# Altium PCB PCB.PcbDoc (part 2 of 2)
Units mm, origin at the board's own origin, x right, y up, seen from the top; angles counter-clockwise.
Board outline 154 x 90 mm, 2 copper layers (Top Layer, Bottom Layer), stack 1.586 mm thick; 143 components, 115 nets, 461 pads, 570 vias.
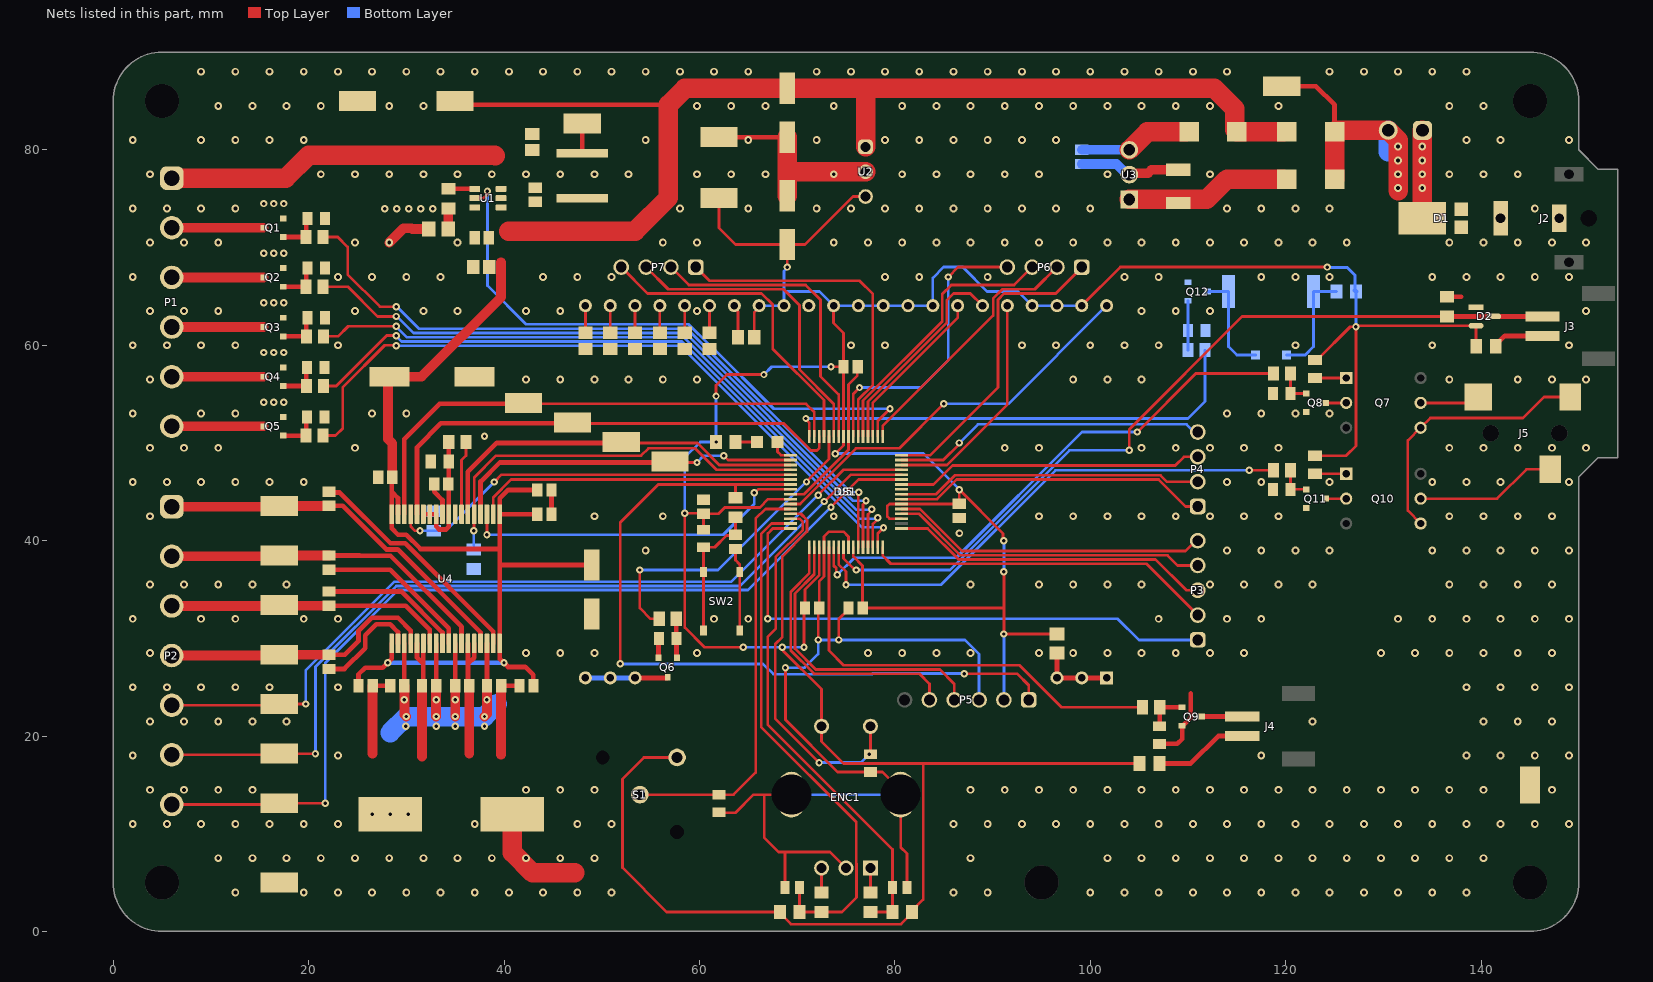
[diagram p2: the nets of this part, all layers, seen from the top]

## Via types
v1: diameter 0.8, hole 0.4, Top Layer to Bottom Layer, 470 vias
v2: diameter 0.75, hole 0.35, Top Layer to Bottom Layer, 100 vias

## Nets (pads, with @x,y where several pads share a name; then routed paths per layer and width w, separated by ;. In a path a pad name is that pad's centre, name@x,y a point inside that pad or via, vN(x,y) a via of type N, cw(c..) or ccw(c..) an arc to the next point about the centre after c; other vN are vias at no path point)
+3V3: C6.2 C32.1 C36.1 C37.1 C38.1 C39.1 C40.1 D2.2 DS1.30 DS1.31 DS1.33 DS1.34 DS1.35 DS1.36 DS1.37 DS1.41 DS1.42 DS1.43 ENC1.2 P5.2 R16.1 R17.1 R21.1 R25.2 R26.2 R27.1 R32.1 R37.2 R38.2 R40.1 S1.2 TP5.1 U2.3 U5.10 U5.19 U5.26 U5.35 U5.38 U5.57 | length 419.6
  Top Layer w0.28: S1.2@57.71,17.81 54.31,17.81 52.116,15.616 52.116,6.534 56.65,2 R17.1@68.25,2 68.25,1.875 69.375,0.75 80.625,0.75 81.75,1.875 R16.1@81.75,2 81.75,2.125 82.9,3.275 82.9,17.2 ; R37.2@60.25,41.126 60.425,41.301 C37.1@60.425,42.75 ; v2(61.7,54.8) 61.7,55.9 62.8,57 v2(66.6,57) ; TP5.1@62,75.079 62,72 63.7,70.3 C6.2@69,70.3 ; v2(64.5,29.1) 60.493,29.1 58.501,31.092 58.501,32.846 58.49,32.857 v2(58.49,42.8) 60.375,42.8 C37.1@60.425,42.75 ; C32.1@65.6,60.823 65.6,63.34 DS1.30@66.11,63.85 ; v2(68.485,29.1) 68.574,29.01 68.574,28.726 72.5,24.8 ENC1.2@72.5,21 72.5,19.46 74.76,17.2 82.9,17.2 ; v2(69,68) C6.2@69,70.3 ; U5.10@69.326,44.25 67.027,44.25 66.177,43.4 62.588,43.4 61.938,42.75 C37.1@60.425,42.75 ; v2(70.7,29.1) 70.7,33.002 C36.1@70.798,33.1 70.798,34.998 72.25,36.45 U5.19@72.25,39.326 ; v2(73.469,57.8) C40.1@74.75,57.8 ; DS1.33@73.73,64.05 73.73,62.283 74.75,61.263 C40.1@74.75,57.8 ; v2(73.916,48.911) 74.75,49.745 C40.1@74.75,57.8 ; U5.26@75.75,39.326 75.75,38.38 76.7,37.43 C38.1@76.7,33.1 91.16,33.1 ; U2.3@77,75.22 75.72,75.22 70.8,70.3 C6.2@69,70.3 ; U5.35@80.674,42.25 79.448,42.25 79.223,42.475 79.223,43.527 79.446,43.75 U5.38@80.674,43.75 86.578,43.75 C39.1@86.6,43.772 v2(86.6,45.213) 91.07,40.743 91.07,40.09 v2(91.16,40) ; v2(91.16,36.824) 91.16,33.1 ; R21.1@96.59,30.45 v2(91.16,30.45) 91.16,33.1 ; DS1.43@99.13,64.05 103.08,68 v2(124.25,68) ; R26.2@105.05,17.2 82.9,17.2 ; R32.1@123,48.69 126.19,48.69 127.19,49.69 v2(127.19,61.895) ; R27.1@123,58.49 123.2,58.49 126.605,61.895 v2(127.19,61.895) ; R40.1@139.5,59.9 139.48,59.92 D2.2@139.48,62 127.422,62 127.317,61.895 v2(127.19,61.895)
  Top Layer w0.48: DS1.30@66.11,63.85 DS1.30@66.11,64.05
  Bottom Layer w0.28: v2(58.49,42.8) 58.49,48.5 60.09,50.1 v2(61.7,50.1) v2(61.7,54.8) ; v2(64.5,29.1) v2(68.485,29.1) v2(70.7,29.1) ; DS1.30@66.11,64.05 DS1.31@68.65,64.05 68.65,65.5 ; v2(66.6,57) 67.4,57.8 v2(73.469,57.8) ; v2(69,68) 69,67.951 68.65,67.601 68.65,65.5 ; v2(73.916,48.911) 82.937,48.911 86.6,45.248 v2(86.6,45.213) ; P5.2@91.16,23.7 v2(91.16,30.45) ; v2(91.16,36.824) v2(91.16,40) ; DS1.43@99.13,64.05 DS1.42@96.59,64.05 DS1.41@94.05,64.05 92.6,65.5 89.45,65.5 86.95,68 85,68 83.89,66.89 DS1.37@83.89,64.05 DS1.36@81.35,64.05 DS1.35@78.81,64.05 DS1.34@76.27,64.05 DS1.33@73.73,64.05 72.28,65.5 68.65,65.5 ; v2@124.302,67.948 126.302,67.948 127.086,67.164 R38.2@127.086,65.604 ; v2(127.19,61.895) R38.2@127.19,65.5
  Bottom Layer w0.48: v2(124.25,68) v2@124.302,67.948 ; R38.2@127.086,65.604 R38.2@127.19,65.5
+12V: C1.1 C2.1 C5.2 C10.2 C11.1 C12.1 C13.1 C14.1 C24.1 C25.2 SB2.2 SB3.1 TP4.1 U1.4 U2.1 U4.1 U4.17 U4.18 U4.19 U4.36 | length 228.5
  Top Layer w0.48: C14.1@25.1,25.15 25.1,26.3 25.8,27 27.6,27 28.5,27.9 U4.19@28.5,29.48 ; C13.1@28.564,46.5 28.5,46.436 28.5,45.012 ; U4.17@29.15,42.7 29.15,44.362 28.5,45.012 ; TP4.1@35,85 35.399,84.601 56.809,84.601 56.864,84.656 ; v2(40,27.491) 40.416,27.074 42.171,27.074 42.978,26.267 42.978,25.197 C11.1@43.026,25.15 ; v2(40,27.491) 39.956,27.491 39.55,27.897 39.55,37.526 ; C24.1@43.4,42.7 U4.1@39.55,42.7 ; C12.1@43.4,45.19 40.419,45.19 39.55,44.321 U4.1@39.55,42.7 ; C25.2@48.96,37.498 39.578,37.498 39.55,37.526 ; 28.5,45.012 U4.18@28.5,42.7 28.5,41.25 29.15,40.6 30,40.6 31.452,39.148 39.55,39.148 ; 39.55,37.526 39.55,39.148 ; 39.55,39.148 U4.1@39.55,42.7
  Top Layer w1: C13.1@28.564,46.5 28.564,49.956 28.12,50.4 28.12,56.6 C10.2@28.3,56.78 31.575,56.78 39.7,64.905 39.7,68.5
  Top Layer w2: 40.5,71.68 53.41,71.68 56.809,75.079 56.809,84.601 ; 56.864,84.656 58.508,86.3 77,86.3 ; U2.1@77,80.3 77,86.3 ; SB2.2@119.774,81.84 SB3.1@115,81.84 114.8,82.04 114.8,84.2 112.7,86.3 77,86.3
  Bottom Layer w0.48: v2(28.098,27.491) v2(40,27.491)
+24V: C7.1 SB1.2 U3.1 | length 16.6
  Top Layer w2: U3.1@104,74.92 111.92,74.92 114,77 SB1.2@119.774,77
AGND: C18.2 R2.2 R3.2 U4.9 U4.11 U4.12 U4.13 | length 12.8
  Top Layer w0.48: U4.13@31.75,42.7 U4.12@32.4,42.7 U4.11@33.05,42.7 33.05,41.45 33.35,41.15 34.069,41.15 34.35,41.431 U4.9@34.35,42.7 R2.2@34.35,48.1 R3.2@34.35,50.1
CHANNEL_A: C33.1 R16.2 R18.1 U5.14 | length 50.3
  Top Layer w0.28: U5.14@69.326,42.25 70.259,42.25 70.586,41.923 70.586,41.102 67.8,38.316 67.8,30.97 67,30.17 67,21.153 79.75,8.403 C33.1@79.75,4.5 R16.2@79.75,2 R18.1@77.5,2
CHANNEL_B: C34.1 R17.2 R19.1 U5.15 | length 53.6
  Top Layer w0.28: U5.15@69.326,41.75 67.395,41.75 66.319,40.674 66.319,31.313 66.319,20.947 76.047,11.22 76.047,6.961 76.066,6.942 76.066,3.493 74.573,2 R19.1@72.5,2 R17.2@70.25,2 C34.1@70.25,4.5
FAULT: U4.3 U5.8 | length 35.8
  Top Layer w0.28: v2(38.25,40.6) U4.3@38.25,42.7 ; v2(65.607,44.913) 65.669,44.913 66.006,45.25 U5.8@69.326,45.25
  Bottom Layer w0.28: v2(38.25,40.6) 62.435,40.6 65.607,43.772 v2(65.607,44.913)
FOCUS_CMD: R33.1 U5.23 | length 52.7
  Top Layer w0.28: U5.23@74.25,39.326 74.25,37.574 75,36.824 v2(75,35.5) ; v2(116.275,47.2) R33.1@118.75,47.2
  Bottom Layer w0.28: v2(75,35.5) 84.75,35.5 96.45,47.2 v2(116.275,47.2)
GND: C1.2 C2.2 C4.2 C5.1 C6.1 C7.2 C8.2 C10.1 C11.2 C12.2 C13.2 C14.2 C19.2 C20.2 C21.2 C22.2 C23.2 C24.2 C25.1 C26.2 C27.2 C28.2 C29.2 C30.2 C31.2 C32.2 C33.2 C34.2 C35.2 C36.2 C37.2 C38.2 C39.2 C40.2 D2.1 DS1.29 DS1.32 ENC1.3 ENC1.4 ENC1.C J2.2 P5.3 Q6.2 Q8.2 Q9.2 Q11.2 Q12.2 R1.1 R2.1 R4.1 R5.1 R9.1 R10.1 R11.1 R14.1 R15.1 R20.1 R23.1 R24.1 R29.1 R31.1 R34.1 R36.1 R41.2 SW2.1 SW2.2 TP2.1 TP6.1 TP7.1 TP8.1 U1.3 U2.2 U3.2 U4.8 U4.23 U4.24 U4.31 U4.32 U5.9 U5.20 U5.25 U5.41 U5.56 | length 249.4
  Top Layer w0.28: R23.1@62,12.2 62.045,12.155 63.704,12.155 65.55,14 66.642,14 ; DS1.29@63.57,63.818 63.948,63.44 C32.2@63.948,60.823 ; C35.2@63.7,39.148 63.7,38 64.125,37.575 SW2.1@64.125,36.8 SW2.2@64.125,30.8 ; C34.2@68.75,4.5 68.75,8.129 ; v2(68.8,27) 68.8,21.669 74.142,16.327 R20.1@77.5,16.327 78.725,16.327 80.6,14.452 ENC1.3@80.6,14 80.6,8.614 81.25,7.964 C33.2@81.25,4.5 ; U5.9@69.326,44.75 70.697,44.75 75.25,49.303 U5.56@75.25,50.674 75.25,55.972 76.144,56.866 76.144,57.742 C40.2@76.202,57.8 ; ENC1.4@69.4,14 66.642,14 ; v2(72.153,29.84) 72.153,33.003 C36.2@72.25,33.1 72.25,35.84 72.75,36.34 U5.20@72.75,39.326 72.75,40.424 73.25,40.924 74.729,40.924 75.25,40.403 U5.25@75.25,39.326 ; v2(74.26,29.84) 74.26,31.961 75.248,32.949 C38.2@75.248,33.1 ; ENC1.C@75,6.5 73.371,8.129 68.75,8.129 ; 66.642,14 66.642,9.583 68.095,8.129 68.75,8.129
  Top Layer w0.48: C14.2@26.552,25.15 C23.2@28.348,25.15 ; U4.23@31.1,29.48 31.1,28.021 31.74,27.381 ; C22.2@31.598,25.15 31.74,25.292 31.74,27.381 ; U4.24@31.75,29.48 31.74,29.47 31.74,27.381 ; U4.31@36.3,29.48 36.31,29.47 36.31,27.381 ; C21.2@36.452,25.15 36.31,25.292 36.31,27.381 ; U4.32@36.95,29.48 36.95,28.021 36.31,27.381 ; C20.2@39.702,25.15 C11.2@41.574,25.15 ; C24.2@44.852,42.7 C12.2@44.852,45.19 ; Q6.2@55.81,28.021 55.81,29.95 R24.1@55.86,30 ; TP8.1@62,81.3 C5.1@69,81.3 ; DS1.29@63.57,63.818 DS1.29@63.57,64.05 ; 68.46,77.76 69,78.3 ; R34.1@107.1,19.2 108.9,19.2 109.4,19.7 Q9.2@109.4,21.05 109.45,21.05 110.3,21.9 110.3,24.35 ; R41.2@136.5,64.95 137.956,64.95 ; D2.1@139.006,63.9 D2.1@139.48,63.9
  Top Layer w1: 26.552,18.2 C14.2@26.552,25.15 ; v1(28.25,70.5) 29.721,71.971 30.549,71.971 30.62,71.9 R1.1@32.3,71.9 ; 31.598,17.905 C22.2@31.598,25.15 ; 36.452,18.2 C21.2@36.452,25.15 ; 39.702,18.08 C20.2@39.702,25.15 ; U3.2@104,77.46 104.153,77.613 105.913,77.613 106.25,77.95 C7.2@109,77.95
  Top Layer w2: C19.2@40.848,12 40.848,8.073 42.921,6 47.25,6 ; C6.1@69,75.3 69,78.3 ; C5.1@69,81.3 69,78.3 ; U2.2@77,77.76 69.54,77.76 69,78.3
  Bottom Layer w0.28: v2(68.8,27) 70.773,27 72.153,28.38 v2(72.153,29.84) v2(74.26,29.84) 87.16,29.84 88.62,28.38 P5.3@88.62,23.7 ; ENC1.4@69.4,14 ENC1.3@80.6,14
  Bottom Layer w1: C8.2@99.13,78.548 102.695,78.548 103.784,77.46 U3.2@104,77.46
  other v1: 12.5,4 19.5,4 23,4 26.5,4 30,4 33.5,4 37,4 40.5,4 44,4 47.5,4 51,4 86,4 89.5,4 100,4 103.5,4 107,4 110.5,4 114,4 117.5,4 121,4 124.5,4 128,4 131.5,4 135,4 138.5,4 10.75,7.5 14.25,7.5 17.75,7.5 21.25,7.5 24.75,7.5 28.25,7.5 31.75,7.5 35.25,7.5 38.75,7.5 42.25,7.5 45.75,7.5 49.25,7.5 87.75,7.5 101.75,7.5 105.25,7.5 108.75,7.5 112.25,7.5 115.75,7.5 119.25,7.5 122.75,7.5 126.25,7.5 129.75,7.5 133.25,7.5 136.75,7.5 140.25,7.5 2,11 5.5,11 9,11 12.5,11 16,11 19.5,11 23,11 37,11 47.5,11 51,11 86,11 89.5,11 93,11 96.5,11 100,11 103.5,11 107,11 110.5,11 114,11 117.5,11 121,11 124.5,11 128,11 131.5,11 135,11 138.5,11 142,11 145.5,11 149,11 3.75,14.5 7.25,14.5 10.75,14.5 14.25,14.5 42.25,14.5 45.75,14.5 49.25,14.5 87.75,14.5 91.25,14.5 94.75,14.5 98.25,14.5 101.75,14.5 105.25,14.5 108.75,14.5 112.25,14.5 115.75,14.5 119.25,14.5 122.75,14.5 126.25,14.5 129.75,14.5 133.25,14.5 136.75,14.5 140.25,14.5 147.25,14.5 2,18 23,18 117.5,18 138.5,18 142,18 145.5,18 149,18 3.75,21.5 7.25,21.5 10.75,21.5 14.25,21.5 17.75,21.5 122.75,21.5 140.25,21.5 143.75,21.5 147.25,21.5 2,25 5.5,25 9,25 12.5,25 16,25 23,25 138.5,25 142,25 145.5,25 149,25 3.75,28.5 42.25,28.5 45.75,28.5 49.25,28.5 59.75,28.5 77.25,28.5 80.75,28.5 84.25,28.5 87.75,28.5 94.75,28.5 98.25,28.5 101.75,28.5 105.25,28.5 108.75,28.5 112.25,28.5 115.75,28.5 129.75,28.5 133.25,28.5 136.75,28.5 140.25,28.5 143.75,28.5 147.25,28.5 2,32 9,32 12.5,32 19.5,32 23,32 61.5,32 65,32 107,32 114,32 117.5,32 131.5,32 135,32 138.5,32 142,32 145.5,32 149,32 3.75,35.5 7.25,35.5 10.75,35.5 14.25,35.5 17.75,35.5 87.75,35.5 94.75,35.5 98.25,35.5 101.75,35.5 105.25,35.5 112.25,35.5 115.75,35.5 119.25,35.5 122.75,35.5 136.75,35.5 140.25,35.5 143.75,35.5 147.25,35.5 54.5,39 114,39 117.5,39 121,39 124.5,39 135,39 138.5,39 142,39 145.5,39 149,39 86.6,40.761 3.75,42.5 49.25,42.5 56.25,42.5 73.75,42.5 94.75,42.5 98.25,42.5 101.75,42.5 105.25,42.5 108.75,42.5 112.25,42.5 115.75,42.5 119.25,42.5 136.75,42.5 140.25,42.5 143.75,42.5 147.25,42.5 2,46 5.5,46 9,46 12.5,46 16,46 19.5,46 114,46 117.5,46 124.5,46 135,46 138.5,46 142,46 149,46 3.75,49.5 7.25,49.5 10.75,49.5 24.75,49.5 91.25,49.5 94.75,49.5 105.25,49.5 108.75,49.5 112.25,49.5 115.75,49.5 119.25,49.5 136.75,49.5 140.25,49.5 143.75,49.5 147.25,49.5 150.75,49.5 2,53 9,53 12.5,53 26.5,53 30,53 114,53 117.5,53 121,53 124.5,53 3.75,56.5 42.25,56.5 45.75,56.5 49.25,56.5 52.75,56.5 56.25,56.5 59.75,56.5 98.25,56.5 101.75,56.5 105.25,56.5 136.75,56.5 143.75,56.5 147.25,56.5 150.75,56.5 2,60 5.5,60 9,60 12.5,60 23,60 75.5,60 79,60 93,60 96.5,60 100,60 103.5,60 107,60 121,60 135,60 149,60 3.75,63.5 7.25,63.5 10.75,63.5 24.75,63.5 31.75,63.5 35.25,63.5 42.25,63.5 45.75,63.5 59.75,63.5 105.25,63.5 108.75,63.5 112.25,63.5 150.75,63.5 2,67 23,67 26.5,67 30,67 33.5,67 44,67 47.5,67 51,67 79,67 82.5,67 89.5,67 103.5,67 107,67 117.5,67 121,67 124.5,67 135,67 138.5,67 142,67 145.5,67 149,67 3.75,70.5 7.25,70.5 10.75,70.5 24.75,70.5 35.25,70.5 56.25,70.5 59.75,70.5 73.75,70.5 77.25,70.5 80.75,70.5 84.25,70.5 87.75,70.5 91.25,70.5 94.75,70.5 98.25,70.5 101.75,70.5 105.25,70.5 108.75,70.5 112.25,70.5 115.75,70.5 119.25,70.5 122.75,70.5 126.25,70.5 136.75,70.5 140.25,70.5 143.75,70.5 147.25,70.5 150.75,70.5 2,74 5.5,74 9,74 12.5,74 58,74 65,74 72,74 75.5,74 79,74 82.5,74 86,74 89.5,74 93,74 96.5,74 100,74 114,74 117.5,74 121,74 124.5,74 145.5,74 3.75,77.5 21.25,77.5 24.75,77.5 28.25,77.5 31.75,77.5 35.25,77.5 38.75,77.5 42.25,77.5 45.75,77.5 49.25,77.5 52.75,77.5 59.75,77.5 63.25,77.5 66.75,77.5 73.75,77.5 80.75,77.5 84.25,77.5 87.75,77.5 91.25,77.5 94.75,77.5 101.75,77.5 112.25,77.5 136.75,77.5 140.25,77.5 143.75,77.5 2,81 9,81 12.5,81 16,81 19.5,81 54.5,81 65,81 72,81 79,81 82.5,81 86,81 89.5,81 93,81 96.5,81 138.5,81 142,81 149,81 10.75,84.5 14.25,84.5 17.75,84.5 21.25,84.5 28.25,84.5 31.75,84.5 59.75,84.5 63.25,84.5 66.75,84.5 73.75,84.5 80.75,84.5 84.25,84.5 87.75,84.5 91.25,84.5 94.75,84.5 98.25,84.5 101.75,84.5 105.25,84.5 108.75,84.5 112.25,84.5 119.25,84.5 136.75,84.5 140.25,84.5 9,88 12.5,88 16,88 19.5,88 23,88 26.5,88 30,88 33.5,88 37,88 40.5,88 44,88 47.5,88 51,88 54.5,88 58,88 61.5,88 65,88 72,88 75.5,88 79,88 82.5,88 86,88 89.5,88 93,88 96.5,88 100,88 103.5,88 107,88 110.5,88 114,88 124.5,88 128,88 131.5,88 135,88 138.5,88
  other v2: 38,50.682
INDEX: D2.3 J3.2 R41.1 U5.24 | length 84.4
  Top Layer w0.28: U5.24@74.75,39.326 74.75,38.177 75.709,37.218 75.927,37 v2(76.034,37) ; v2(104,49.246) 104,51.4 115.55,62.95 R41.1@136.5,62.95
  Top Layer w0.48: R41.1@136.5,62.95 D2.3@141.3,62.95 J3.2@145.55,62.95
  Bottom Layer w0.28: v2(76.034,37) 85.64,37 97.886,49.246 v2(104,49.246)
LED1-: P1.2 Q1.3 | length 9.4
  Top Layer w1: P1.2@6,72.02 Q1.3@15.4,72.02
LED1_CMD: R6.1 U5.27 | length 72.9
  Top Layer w0.28: R6.1@21.475,71.07 22.98,71.07 24,70.05 24,67.26 27.311,63.949 v2@29.022,63.949 ; U5.27@76.25,39.326 76.25,44.913 v2(76.299,44.962)
  Bottom Layer w0.28: v2@29.022,63.949 31.287,61.685 58.741,61.685 75.463,44.962 v2(76.299,44.962)
  other v2: 28.96,63.949
LED2-: P1.3 Q2.3 | length 9.4
  Top Layer w1: P1.3@6,66.94 Q2.3@15.4,66.94
LED2_CMD: R7.1 U5.28 | length 69.5
  Top Layer w0.28: R7.1@21.475,65.99 24.01,65.99 27.052,62.948 v2@29.035,62.948 ; U5.28@76.75,39.326 76.75,43.679 77.043,43.972 v2(77.043,44.078)
  Bottom Layer w0.28: v2@29.035,62.948 30.728,61.254 58.562,61.254 75.738,44.078 v2(77.043,44.078)
  other v2: 28.96,62.948
LED3-: P1.4 Q3.3 | length 9.4
  Top Layer w1: P1.4@6,61.86 Q3.3@15.4,61.86
LED3_CMD: R8.1 U5.29 | length 68.4
  Top Layer w0.28: R8.1@21.525,60.91 23.021,60.91 24.057,61.946 v2@28.998,61.946 ; U5.29@77.25,39.326 77.25,42.698 77.626,43.074 v2(77.626,43.201)
  Bottom Layer w0.28: v2@28.998,61.946 28.998,61.862 30.037,60.823 58.384,60.823 76.055,43.152 77.577,43.152 v2(77.626,43.201)
  other v2: 28.96,61.946
LED4-: P1.5 Q4.3 | length 9.4
  Top Layer w1: P1.5@6,56.78 Q4.3@15.4,56.78
LED4_CMD: R12.1 U5.30 | length 69.9
  Top Layer w0.28: R12.1@21.525,55.83 22.83,55.83 28,61 28.918,61 v2(28.96,60.959) ; U5.30@77.75,39.326 77.75,41.724 78.263,42.237 v2(78.263,42.335)
  Bottom Layer w0.28: v2(28.96,60.959) 29.526,60.392 58.205,60.392 76.347,42.25 78.178,42.25 v2(78.263,42.335)
LED5-: P1.6 Q5.3 | length 9.4
  Top Layer w1: P1.6@6,51.7 Q5.3@15.4,51.7
LED5_CMD: R13.1 U5.31 | length 73.6
  Top Layer w0.28: R13.1@21.475,50.75 22.75,50.75 23.5,51.5 23.5,55.705 27.795,60 28.921,60 v2(28.96,59.961) ; U5.31@78.25,39.326 78.25,40.733 v2(78.839,41.322)
  Bottom Layer w0.28: v2(28.96,59.961) 58.027,59.961 76.622,41.366 78.795,41.366 v2(78.839,41.322)
LED+: C4.1 L1.2 P1.1 TP3.1 | length 37.1
  Top Layer w0.48: L1.2@48,79.652 TP3.1@48,82.699
  Top Layer w2: P1.1@6,77.1 17.661,77.1 20,79.439 39.062,79.439 39.1,79.401
LED-: Q1.2 Q2.2 Q3.2 Q4.2 Q5.2 R1.2 R42.2 | length 2.5
  Top Layer w0.48: Q4.2@17.35,57.73 Q4.2@17.4,57.73 ; Q1.2@17.4,72.97 Q1.2@17.45,72.97 ; R42.2@34.102,74.2 R42.2@34.3,74.002
  Top Layer w1: R1.2@34.3,71.9 R42.2@34.3,74.002
  other v2: 15.419,54.18 16.444,54.18 17.469,54.18 15.419,59.26 16.444,59.26 17.469,59.26 15.419,64.34 16.444,64.34 17.469,64.34 15.419,69.42 16.444,69.42 17.469,69.42 27.795,73.967 29.021,73.967 30.247,73.967 31.474,73.967 32.7,73.967 15.419,74.5 16.444,74.5 17.469,74.5
LED_IR_CMD: R30.1 U5.21 | length 45.1
  Top Layer w0.28: U5.21@73.25,39.326 73.25,28.747 74.747,27.25 92.75,27.25 97.05,22.95 R30.1@105.35,22.95
MCLR: P5.1 R39.2 U5.7 | length 79.1
  Top Layer w0.28: v2(51.895,27.386) 51.895,41.858 55.788,45.75 63.703,45.75 ; R39.2@63.7,44.4 63.7,45.747 63.703,45.75 ; U5.7@69.326,45.75 63.703,45.75 ; v2(87.1,26.388) 92.512,26.388 93.7,25.2 P5.1@93.7,23.7
  Bottom Layer w0.28: v2(51.895,27.386) 66.514,27.386 67.566,26.334 77.671,26.334 77.737,26.4 87.088,26.4 v2(87.1,26.388)
NC0: P3.1 U5.16 | length 56.2
  Top Layer w0.28: v2(67,32) 67,40.745 67.505,41.25 U5.16@69.326,41.25
  Bottom Layer w0.28: v2(67,32) 102.816,32 104.976,29.84 P3.1@111,29.84
NC1: P3.2 U5.32 | length 35.6
  Top Layer w0.28: U5.32@78.75,39.326 78.75,38.466 79.583,37.633 105.747,37.633 P3.2@111,32.38
NC2: P3.3 U5.33 | length 32.9
  Top Layer w0.28: U5.33@80.674,41.25 83.354,41.25 86.54,38.064 106.686,38.064 109.83,34.92 P3.3@111,34.92
NC3: P3.4 U5.36 | length 32.5
  Top Layer w0.28: U5.36@80.674,42.75 82.464,42.75 86.719,38.495 107.894,38.495 108.929,37.46 P3.4@111,37.46
NC4: P3.5 U5.37 | length 32.6
  Top Layer w0.28: U5.37@80.674,43.25 82.573,43.25 86.888,38.936 109.751,38.936 110.815,40 P3.5@111,40
NC5: P4.1 U5.39 | length 32.3
  Top Layer w0.28: U5.39@80.674,44.25 84.311,44.25 86.311,46.25 107,46.25 109.75,43.5 P4.1@111,43.5
NC6: P4.2 U5.40 | length 31.4
  Top Layer w0.28: U5.40@80.674,44.75 84.201,44.75 86.132,46.681 107.179,46.681 107.82,46.04 P4.2@111,46.04
NC7: P4.3 U5.42 | length 31.5
  Top Layer w0.28: U5.42@80.674,45.75 83.949,45.75 85.893,47.694 108.694,47.694 109.58,48.58 P4.3@111,48.58
NC8: P4.4 U5.47 | length 32.2
  Top Layer w0.28: U5.47@80.674,48.25 84.95,48.25 86.6,49.9 v2(86.6,50)
  Bottom Layer w0.28: v2(86.6,50) 88.5,51.9 109.863,51.9 110.643,51.12 P4.4@111,51.12
NC9: P6.1 U5.48 | length 31.7
  Top Layer w0.28: U5.48@80.674,48.75 83.63,48.75 90.548,55.668 90.548,64.658 91.19,65.3 96.468,65.3 99.13,67.962 P6.1@99.13,68
NC10: P6.2 U5.49 | length 26.7
  Top Layer w0.28: U5.49@78.75,50.674 78.75,51.718 90.06,63.028 90.06,64.779 91.011,65.731 94.321,65.731 P6.2@96.59,68
NC11: P6.3 U5.53 | length 28.3
  Top Layer w0.28: U5.53@76.75,50.674 76.75,54.342 84.85,62.442 84.85,65.231 85.78,66.162 92.212,66.162 P6.3@94.05,68
NC12: P6.4 U5.55 | length 30.5
  Top Layer w0.28: U5.55@75.75,50.674 75.75,55.037 v2(76.381,55.668) ; v2(85.47,66.984) 85.47,67 86.47,68 P6.4@91.51,68
  Bottom Layer w0.28: v2(76.381,55.668) 82.668,55.668 85.47,58.471 v2(85.47,66.984)
NC13: P7.1 U5.54 | length 34.5
  Top Layer w0.28: P7.1@59.62,68 61.02,66.6 76.381,66.6 77.75,65.231 77.75,55.952 76.25,54.452 U5.54@76.25,50.674
NC14: P7.2 U5.58 | length 31.4
  Top Layer w0.28: P7.2@57.08,68 58.918,66.162 70.873,66.162 72.381,64.655 72.381,56.821 74.25,54.952 U5.58@74.25,50.674
NC15: P7.3 U5.59 | length 32.2
  Top Layer w0.28: P7.3@54.54,68 56.809,65.731 68.588,65.731 70.23,64.089 70.23,57.519 73.75,54 U5.59@73.75,50.674
NC16: P7.4 U5.61 | length 32.7
  Top Layer w0.28: P7.4@52,68 54.7,65.3 66.354,65.3 67.505,64.15 67.505,59.636 72.75,54.39 U5.61@72.75,50.674
NetC3_1: C3.1 U1.6
NetC3_2: C3.2 L1.1 U1.5
NetC8_1: C8.1 SB3.2 U3.3 | length 11.4
  Top Layer w2: U3.3@104,80 105.84,81.84 SB3.2@109.774,81.84
  Bottom Layer w1: C8.1@99.13,80 U3.3@104,80
NetC9_1: C9.1 P2.1 TP9.1 U4.33 | length 38.1
  Top Layer w0.48: C9.1@22.075,43.56 23.49,43.56 27.95,39.1 29.1,39.1 37.6,30.6 U4.33@37.6,29.48
  Top Layer w1: P2.1@6,43.48 16.92,43.48 TP9.1@17,43.56 C9.1@22.075,43.56
NetC9_2: C9.2 U4.35 | length 23.7
  Top Layer w0.48: C9.2@22.325,45.012 22.416,44.92 23.192,44.92 28.381,39.731 29.869,39.731 38.9,30.7 U4.35@38.9,29.48
NetC15_1: C15.1 P2.2 TP11.1 U4.30 | length 34.4
  Top Layer w0.48: C15.1@22.075,38.48 25.212,38.48 25.223,38.469 28.382,38.469 35.65,31.201 U4.30@35.65,29.48
  Top Layer w1: P2.2@6,38.4 16.92,38.4 TP11.1@17,38.48 C15.1@22.075,38.48
NetC15_2: C15.2 U4.28 | length 16.3
  Top Layer w0.48: C15.2@22.075,37.028 28.355,37.028 34.35,31.034 U4.28@34.35,29.48
NetC16_1: C16.1 P2.3 TP10.1 U4.25 | length 28.9
  Top Layer w0.48: TP10.1@17,33.4 TP10.1@17.052,33.348 ; C16.1@22.075,33.348 29.952,33.348 32.4,30.9 U4.25@32.4,29.48
  Top Layer w1: P2.3@6,33.32 16.92,33.32 TP10.1@17,33.4 ; TP10.1@17.052,33.348 C16.1@22.075,33.348
NetC16_2: C16.2 U4.27 | length 14.2
  Top Layer w0.48: C16.2@22.325,34.8 29.5,34.8 33.7,30.6 U4.27@33.7,29.48
NetC17_1: C17.1 P2.4 TP12.1 U4.22 | length 28.5
  Top Layer w0.48: C17.1@22.075,28.32 23.72,28.32 25.1,29.7 25.1,30.75 26.45,32.1 29.15,32.1 30.45,30.8 U4.22@30.45,29.48
  Top Layer w1: P2.4@6,28.24 16.92,28.24 TP12.1@17,28.32 C17.1@22.075,28.32
NetC17_2: C17.2 U4.20 | length 11.3
  Top Layer w0.48: C17.2@22.075,26.868 23.668,26.868 25.8,29 25.8,30.331 26.919,31.45 28.348,31.45 29.15,30.648 U4.20@29.15,29.48
NetC18_1: C18.1 U4.10 | length 3.7
  Top Layer w0.48: C18.1@33.042,45.606 C18.1@32.848,45.8 32.848,45.012 33.7,44.16 U4.10@33.7,42.7
NetC26_1: C26.1 DS1.28 | length 2.8
  Top Layer w0.28: C26.1@61.03,61.277 DS1.28@61.03,64.05
NetC27_1: C27.1 DS1.27 | length 2.8
  Top Layer w0.28: C27.1@58.49,61.277 DS1.27@58.49,64.05
NetC28_1: C28.1 DS1.26 | length 2.8
  Top Layer w0.28: C28.1@55.95,61.277 DS1.26@55.95,64.05
NetC29_1: C29.1 DS1.25 | length 2.8
  Top Layer w0.28: C29.1@53.41,61.277 DS1.25@53.41,64.05
NetC30_1: C30.1 DS1.24 | length 2.8
  Top Layer w0.28: C30.1@50.87,61.277 DS1.24@50.87,64.05
NetC31_1: C31.1 DS1.23 | length 2.8
  Top Layer w0.28: C31.1@48.33,61.277 DS1.23@48.33,64.05
NetC35_1: C35.1 R37.1 R39.1 SW2.3 SW2.4 | length 14.1
  Top Layer w0.28: SW2.4@60.425,30.8 SW2.3@60.425,36.8 R37.1@60.425,39.326 61.564,39.326 62.766,40.528 63.628,40.528 C35.1@63.7,40.6 R39.1@63.7,42.4
NetD1_1: D1.1 D1.3 J2.1
NetD1_2: D1.2 J1.1 | length 9
  Top Layer w2: D1.2@134,73 J1.1@134,82
  other v1: 133.974,76.081 133.974,77.501 133.974,78.92 133.974,80.34
NetD3_1: D3.1 R25.1 | length 2.2
  Top Layer w0.28: R25.1@63.7,50.1 D3.1@65.891,50.1
NetD4_1: D4.1 LS1.1 R38.1 | length 11.1
  Bottom Layer w0.28: D4.1@120.075,59 122,59 122.85,59.85 LS1.1@122.85,65.5 R38.1@125.19,65.5
NetD4_2: D4.2 LS1.2 Q12.3 | length 10.9
  Bottom Layer w0.28: Q12.3@112,65.5 LS1.2@114.15,65.5 114.15,59.85 115,59 D4.2@116.925,59
NetDS1_1: DS1.1 DS1.2 DS1.3 R21.2 | length 7.6
  Top Layer w0.48: R21.2@96.59,28.5 DS1.3@96.59,25.95 DS1.2@99.13,25.95 DS1.1@101.67,25.95
NetDS1_20: DS1.20 DS1.21 DS1.22 Q6.3 | length 8.5
  Top Layer w0.48: DS1.20@53.41,25.95 56.7,25.95 56.76,26.01 Q6.3@56.76,26.021
  Bottom Layer w0.48: DS1.22@48.33,25.95 DS1.21@50.87,25.95 DS1.20@53.41,25.95
NetENC1_A: ENC1.A R18.2 | length 2.5
  Top Layer w0.28: R18.2@77.5,4 ENC1.A@77.5,6.5
NetENC1_B: ENC1.B R19.2 | length 2.5
  Top Layer w0.28: R19.2@72.5,4 ENC1.B@72.5,6.5
NetJ3_1: J3.1 R40.2 | length 4.6
  Top Layer w0.48: R40.2@141.5,59.9 141.5,60.025 142.425,60.95 J3.1@145.55,60.95
NetJ4_1: J4.1 R26.1 | length 9.6
  Top Layer w0.48: R26.1@107.1,17.2 110.3,17.2 113.1,20 J4.1@115.55,20
NetJ4_2: J4.2 Q9.3 | length 4.1
  Top Layer w0.48: Q9.3@111.4,22 J4.2@115.55,22
NetJ5_1: J5.1 Q7.4 Q10.4 | length 27.5
  Top Layer w0.28: Q10.4@133.81,41.76 132.5,43.07 132.5,50.25 Q7.4@133.81,51.56 134.808,52.558 144.286,52.558 146.427,54.7 J5.1@149.1,54.7
NetJ5_2: J5.2 Q7.5 | length 4.9
  Top Layer w0.28: Q7.5@133.81,54.1 J5.2@138.7,54.1
NetJ5_3: J5.3 Q10.5 | length 14.5
  Top Layer w0.28: Q10.5@133.81,44.3 141.639,44.3 144.639,47.3 J5.3@147.1,47.3
NetQ1_1: Q1.1 R6.2 R9.2 | length 4.2
  Top Layer w0.48: Q1.1@17.4,71.07 R6.2@19.725,71.07 19.75,71.095 19.75,72.945 R9.2@19.775,72.97
NetQ2_1: Q2.1 R7.2 R10.2 | length 4.2
  Top Layer w0.2: R7.2@19.725,65.99 R7.2@19.775,66.04
  Top Layer w0.48: Q2.1@17.4,65.99 R7.2@19.725,65.99 ; R7.2@19.75,66.015 R10.2@19.75,67.865
NetQ3_1: Q3.1 R8.2 R11.2 | length 4.2
  Top Layer w0.48: Q3.1@17.4,60.91 R8.2@19.725,60.91 ; R8.2@19.75,60.935 R11.2@19.75,62.785
NetQ4_1: Q4.1 R12.2 R14.2 | length 4.2
  Top Layer w0.2: R12.2@19.725,55.88 R12.2@19.775,55.83
  Top Layer w0.48: Q4.1@17.4,55.83 R12.2@19.725,55.83 ; R12.2@19.75,55.855 R14.2@19.75,57.705
NetQ5_1: Q5.1 R13.2 R15.2 | length 4.2
  Top Layer w0.48: Q5.1@17.4,50.75 R13.2@19.725,50.75 ; R13.2@19.75,50.775 R15.2@19.75,52.625
NetQ6_1: Q6.1 R22.2 R24.2 | length 4
  Top Layer w0.48: R24.2@57.635,30.025 R22.2@57.635,32 ; R24.2@57.66,30 57.66,28.071 Q6.1@57.71,28.021
NetQ7_1: Q7.1 R27.2 | length 3.2
  Top Layer w0.28: R27.2@123,56.64 Q7.1@126.19,56.64
NetQ7_2: Q7.2 Q8.3 | length 2.1
  Top Layer w0.28: Q8.3@124.1,54.1 Q7.2@126.19,54.1
NetQ8_1: Q8.1 R28.2 R29.2 | length 3.7
  Top Layer w0.28: R28.2@120.5,57.1 R29.2@120.5,55.05 Q8.1@122.1,55.05
NetQ9_1: Q9.1 R30.2 R34.2 | length 4.2
  Top Layer w0.48: R34.2@107.1,21 R30.2@107.1,22.95 Q9.1@109.4,22.95
NetQ10_1: Q10.1 R32.2 | length 3.2
  Top Layer w0.28: R32.2@123,46.84 Q10.1@126.19,46.84
NetQ10_2: Q10.2 Q11.3 | length 2.1
  Top Layer w0.28: Q11.3@124.1,44.3 Q10.2@126.19,44.3
NetQ11_1: Q11.1 R31.2 R33.2 | length 3.5
  Top Layer w0.28: R33.2@120.5,47.2 R31.2@120.5,45.25 Q11.1@122.1,45.25
NetQ12_1: Q12.1 R35.2 R36.2 | length 5
  Bottom Layer w0.28: R35.2@110,59.5 R36.2@110,61.5 Q12.1@110,64.55
NetR3_1: R3.1 U4.7 | length 7.6
  Top Layer w0.28: U4.7@35.65,42.7 35.65,48.244 36.1,48.694 R3.1@36.1,50.1
NetR42_1: R42.1 U1.1 | length 2.7
  Top Layer w0.48: R42.1@34.3,76.002 U1.1@37,76.002
OTW: U4.2 U5.6 | length 32.9
  Top Layer w0.28: U4.2@38.9,42.7 38.9,44.422 40.728,46.25 U5.6@69.326,46.25
PEC12R_SW: ENC1.1 R20.2 U5.13 | length 38.5
  Top Layer w0.28: U5.13@69.326,42.75 70.369,42.75 71.017,42.102 71.017,40.924 68.485,38.392 68.485,30.135 67.75,29.4 67.75,21.787 72.245,17.293 v2(72.245,17.282) ; v2(77.373,18.127) R20.2@77.5,18.127 ENC1.1@77.5,21
  Bottom Layer w0.28: v2(72.245,17.282) 72.25,17.287 76.533,17.287 v2(77.373,18.127)
PGEC: P5.5 U5.17 | length 28.6
  Top Layer w0.28: U5.17@71.25,39.326 71.25,36.669 69.347,34.766 69.347,28.767 71.725,26.388 82.501,26.388 83.54,25.349 P5.5@83.54,23.7
PGED: P5.4 U5.18 | length 30.6
  Top Layer w0.28: U5.18@71.75,39.326 71.75,36.56 69.778,34.587 69.778,28.945 71.904,26.819 84.6,26.819 86.08,25.339 P5.4@86.08,23.7
PVDD: C19.1 C20.1 C21.1 C22.1 C23.1 J1.2 SB1.1 SB2.1 TP1.1 U4.21 U4.26 U4.29 U4.34 | length 70.4
  Top Layer w0.48: C23.1@29.8,25.15 U4.21@29.8,29.48 ; C22.1@33.05,25.15 U4.26@33.05,29.48 ; C21.1@35,25.15 U4.29@35,29.48 ; C20.1@38.25,25.15 U4.34@38.25,29.48 ; TP1.1@119.6,86.5 123.099,86.5 125,84.599 SB2.1@125,81.84
  Top Layer w1: C23.1@29.8,25.15 v2(29.8,23.7) 29.8,22.2 v2(30,22) ; v2(33.05,22) v2(33.05,23.7) C22.1@33.05,25.15 ; v2(35,22) v2(35,23.7) C21.1@35,25.15 ; v2(38,22) 38.25,22.25 v2(38.25,23.7) C20.1@38.25,25.15
  Top Layer w2: SB1.1@125,77 SB2.1@125,81.84 125.16,82 J1.2@130.5,82 131.5,81 v1(131.5,80.34) 131.5,79 v1(131.5,77.501) v1@131.5,75.839
  Bottom Layer w2: 28.349,20.349 v2(30,22) v2(33.05,22) v2(38,22) 39.28,23.28 ; 130.5,79.82 J1.2@130.5,82
  other v1: 131.5,76.081 131.5,78.92
  other v2: 26.498,12 28.349,12 30.2,12 29.952,21 33.05,21 35,21 38,21
PWM_A_CMD: TP13.1 U4.4 U5.2 | length 36.4
  Top Layer w0.28: TP13.1@57,48 v2(59.748,48) ; v2(62.5,48.694) 62.944,48.25 U5.2@69.326,48.25
  Top Layer w0.48: U4.4@37.6,42.7 37.6,46.05 39.55,48 TP13.1@57,48
  Bottom Layer w0.28: v2(59.748,48) 60.442,48.694 v2(62.5,48.694)
PWM_B_CMD: TP14.1 U4.6 U5.3 | length 39.5
  Top Layer w0.28: TP14.1@52,50 59.78,50 62.03,47.75 U5.3@69.326,47.75
  Top Layer w0.48: U4.6@36.3,42.7 36.3,47.05 39.25,50 TP14.1@52,50
PWM_BL: R22.1 U5.60 | length 32.7
  Top Layer w0.28: v2(53.9,37) 53.9,33.1 55,32 R22.1@55.885,32 ; v2(70.953,46.01) 70.953,46.058 73.25,48.354 U5.60@73.25,50.674
  Bottom Layer w0.28: v2(53.9,37) 61.896,37 70.906,46.01 v2(70.953,46.01)
PWM_BUZZER: R35.1 U5.64 | length 48.8
  Top Layer w0.28: v2(70.9,52.5) 70.9,52.373 71.25,52.023 U5.64@71.25,50.674
  Bottom Layer w0.28: v2(70.9,52.5) 110,52.5 111.75,54.25 R35.1@111.75,59.5
PWM_C_CMD: TP15.1 U4.14 U5.62 | length 51.5
  Top Layer w0.28: TP15.1@47,52 68.629,52 71.405,49.224 72.024,49.224 72.25,49.45 U5.62@72.25,50.674
  Top Layer w0.48: U4.14@31.1,42.7 31.1,49.57 33.53,52 TP15.1@47,52
PWM_D_CMD: TP16.1 U4.16 U5.63 | length 54
  Top Layer w0.28: TP16.1@42,54 70.9,54 71.75,53.15 U5.63@71.75,50.674
  Top Layer w0.48: U4.16@29.8,42.7 29.8,50.4 33.4,54 TP16.1@42,54
PWM_DIM: U1.2 U5.50 | length 61.2
  Top Layer w0.28: U1.2@37,75.052 37.9,75.052 38.21,75.362 38.21,75.659 v2(38.3,75.749) ; U5.50@78.25,50.674 78.25,52.25 v2(79.5,53.5)
  Bottom Layer w0.28: v2(38.3,75.749) 38.3,66.098 42.248,62.15 58.885,62.15 61.074,59.961 61.145,59.961 67.606,53.5 v2(79.5,53.5)
QEIA: P2.7 TP17.1 U5.43 | length 96.9
  Top Layer w0.28: P2.7@6,13 16.88,13 TP17.1@17,13.12 v2(21.7,13.12) ; v2(73.469,43.426) 76.293,46.25 U5.43@80.674,46.25
  Bottom Layer w0.28: v2(21.7,13.12) 21.7,27.481 29.157,34.938 64.981,34.938 v2(73.469,43.426)
QEIB: P2.6 TP18.1 U5.44 | length 91.8
  Top Layer w0.28: P2.6@6,18.08 16.88,18.08 TP18.1@17,18.2 v2(20.7,18.2) ; v2(72.783,44.01) 75.523,46.75 U5.44@80.674,46.75
  Bottom Layer w0.28: v2(20.7,18.2) 20.7,27.09 28.979,35.369 64.142,35.369 v2(72.783,44.01)
QUEII: P2.5 TP19.1 U5.45 | length 86.7
  Top Layer w0.28: P2.5@6,23.16 16.88,23.16 TP19.1@17,23.28 v2(19.7,23.28) ; v2(72.153,44.654) 72.153,44.685 74.718,47.25 U5.45@80.674,47.25
  Bottom Layer w0.28: v2(19.7,23.28) 19.7,26.7 28.8,35.8 63.268,35.8 72.122,44.654 v2(72.153,44.654)
RESET_AB_CMD: R4.2 U4.5 U5.4 | length 41.9
  Top Layer w0.28: v2(36.902,41) 36.926,41.024 36.926,42.676 U4.5@36.95,42.7 36.95,46.45 39.194,48.694 54.021,48.694 54.777,49.45 59.568,49.45 61.768,47.25 U5.4@69.326,47.25
  Bottom Layer w0.28: R4.2@36.902,39.1 v2(36.902,41)
RESET_CD_CMD: R5.2 U4.15 U5.5 | length 42.7
  Top Layer w0.28: U4.15@30.45,42.7 30.45,41.431 30.858,41.023 31.377,41.023 v2(31.4,41) ; v2(39,46) 39.75,46.75 U5.5@69.326,46.75
  Bottom Layer w0.28: v2(31.4,41) R5.2@32.8,41 34,41 v2(39,46)
RESET_LCD_CMD: DS1.44 U5.11 | length 40.8
  Top Layer w0.28: U5.11@69.326,43.75 70.307,43.75 76.007,49.45 80.45,49.45 v2(85,54)
  Bottom Layer w0.28: v2(85,54) 91.62,54 DS1.44@101.67,64.05
SIGN_LED_CMD: D3.2 U5.1 | length 2.5
  Top Layer w0.28: D3.2@67.991,50.1 67.991,49.1 68.341,48.75 U5.1@69.326,48.75
SPI_MISO: DS1.38 U5.51 | length 17
  Top Layer w0.28: U5.51@77.75,50.674 77.75,54.123 86.43,62.803 DS1.38@86.43,64.05
SPI_MOSI: DS1.39 U5.52 | length 21.7
  Top Layer w0.28: U5.52@77.25,50.674 77.25,54.233 85.3,62.283 85.3,64.6 86,65.3 87.72,65.3 DS1.39@88.97,64.05
SPI_SCK: DS1.40 U5.46 | length 23.5
  Top Layer w0.28: U5.46@80.674,47.75 85.339,47.75 91.51,53.921 DS1.40@91.51,64.05
SWITCH: R23.2 S1.1 U5.12 | length 42.8
  Top Layer w0.28: S1.1@53.9,14 R23.2@62,14 62.175,14 63.5,14 65.75,16.25 65.75,42.25 66.75,43.25 U5.12@69.326,43.25
TRIGGER_CMD: R28.1 U5.22 | length 56.2
  Top Layer w0.28: U5.22@73.75,39.326 73.75,37.435 74.01,37.175 74.01,36.59 v2(74.1,36.5) ; v2(104.816,51.12) 110.796,57.1 R28.1@118.75,57.1
  Bottom Layer w0.28: v2(74.1,36.5) 75.85,38.25 86.281,38.25 99.151,51.12 v2(104.816,51.12)
pads on no net: J2.3 J2.4 J2.5 J3.MP1 J3.MP2 J4.MP1 J4.MP2 J5. P5.6 Q7.3 Q7.6 Q10.3 Q10.6 S1.16 U5.34

## Polygon pours and split planes (outlines as drawn)
GND on Bottom Layer "GND_L02_P013" (solid, remove dead copper, pour order 13): 50,17.9 50,39.1 0,39.1 0,20.376 0,0 154,0 154,90 126,90 126,84 133,84 133,35.9 115,17.9
GND on Bottom Layer "GND_L02_P008" (solid, remove dead copper, pour order 8): 0,90 0,41.962 53.059,41.962 53.059,23 115.434,23 130,37.566 130,90
PVDD on Bottom Layer "PVDD_L02_P001" (solid, remove dead copper, pour order 1): 24.75,18.127 24.75,11.1 34.1,11.1 43.6,18.127 115.127,18.127 132.827,35.827 133.02,83.98 123,83.98 123,74.92 128,74.92 128,39.436 113.564,25 24.75,25
GND on Top Layer "GND_L01_P014" (solid, remove dead copper, pour order 14): 0,90 0,41.962 53.059,41.962 53.059,23 115.434,23 130,37.566 130,90
GND on Top Layer "GND_L01_P003" (solid, remove dead copper, pour order 3): 49.949,17 49.949,39 0,39 0,21.05 0,0 154,0 154,90 126,90 126,84 133,84 133,35 115,17

## Keep-outs
Top Layer:
  region: 84.247,18.138 84.247,0 61,0 61,18.138
  region: 63,13.7 63,11.2 61,11.2 61,13.7
  region: 82.25,6 82.25,3.5 80.25,3.5 80.25,6
  region: 69.75,6 69.75,3.5 67.75,3.5 67.75,6
  region: 108.1,20.7 108.1,18.2 106.1,18.2 106.1,20.7
  region: 110.4,22.55 110.4,20.05 108.4,20.05 108.4,22.55
Keep-Out Layer:
  region: 5,1 cw(c5,5) 1,5 cw(c5,5) 5,9 cw(c5,5) 9,5 cw(c5,5)
  region: 95,1 cw(c95,5) 91,5 cw(c95,5) 95,9 cw(c95,5) 99,5 cw(c95,5)
  region: 145,1 cw(c145,5) 141,5 cw(c145,5) 145,9 cw(c145,5) 149,5 cw(c145,5)
  region: 145,81 cw(c145,85) 141,85 cw(c145,85) 145,89 cw(c145,85) 149,85 cw(c145,85)
  region: 5,81 cw(c5,85) 1,85 cw(c5,85) 5,89 cw(c5,85) 9,85 cw(c5,85)
  region: 76,8 76,5.5 74,5.5 74,8
  region: 95,24.95 95,22.45 79.5,22.45 79.5,24.95
  region: 78.5,17.5 78.5,15 76.5,15 76.5,17.5
  region: 82.413,17.617 82.413,11 67.5,11 67.5,17.617

## Other copper
Top Layer:
  region net LED-: 26.925,74.602 35,74.602 35,73.291 26.925,73.291
  region net LED-: 14.5,75.32 18.5,75.32 18.5,72.62 16.4,72.62 16.4,73.72 14.5,73.72
  region net LED-: 14.5,70.24 18.5,70.24 18.5,67.54 16.4,67.54 16.4,68.64 14.5,68.64
  region net LED-: 14.5,65.16 18.5,65.16 18.5,62.46 16.4,62.46 16.4,63.56 14.5,63.56
  region net LED-: 14.5,60.08 18.5,60.08 18.5,57.38 16.4,57.38 16.4,58.48 14.5,58.48
  region net LED-: 14.5,55 18.5,55 18.5,52.3 16.4,52.3 16.4,53.4 14.5,53.4
  region net GND: 50.25,7.5 50.25,4.5 43.75,4.5 43.75,7.5
  region net NetD1_1: 137,74.75 137,71.25 142.75,71.25 142.75,74.75
  region net PVDD: 35.495,23 35.495,20 32.505,20 32.505,23
  region net PVDD: 39,23 39,20 37.193,20 37.193,23
  region net PVDD: 28.858,23 30.858,23 30.858,20 28.858,20
  region net NetC3_2: 39.1,75.4 50.7,75.4 50.7,73.7 42,73.7 41,74.7 39.1,74.7
  region net NetC3_1: 39.1,76.8 39.1,75.593 44.2,75.593 44.2,76.8
  region net LED+: 45.857,80.7 37.5,80.7 37.5,78.178 37.576,78.102 45.857,78.102
  region net LED+: 50.7,79.144 50.7,80.7 40.2,80.7 40.2,79.144
  region net +12V: 39.1,74.467 37.9,73.267 37.9,66.6 41.9,66.6 41.9,73.5
  region net GND: 35.2,74.5 38.485,74.5 37.5,73.515 37.5,66.6 35.2,66.6
  region net +12V: 39.1,74.467 39.1,73 41.9,73 41.9,73.5 40.933,74.467
Bottom Layer:
  region net NetD1_2: 132.843,83.98 132.863,84 135.5,84 135.5,74.99 132.843,74.99
  region net LED-: 14.5,75.5 18.5,75.5 35,75.5 35,73.3 18.5,73.3 18.5,49 18.4,49.1 14.5,49.1

## Silkscreen, mask and mechanical layers (free items; w line width, h text height)
Top Overlay:
  drawing of 10 lines, arcs and shapes, not listed
  text "+12V" at 122.7,83.861 h1
  text "+24V" at 122.386,74 h1
  text "Do not solder both +12V and +24V" at 118.3,65.2 h1
  text "2309_AutomatisationPriseImageRTI" at 102.3,7.7 h1.2
  text "Version 1.0.0" at 102.3,5.675 h1.2
  text "Meven Ricchieri" at 102.3,3.8 h1.2
  text "Lausanne, aout 2023" at 102.3,2.125 h1.2
Bottom Overlay:
  drawing of 4 lines, arcs and shapes, not listed
Top Dimensions:
  lines w0.254: 74,45 76,45 ; 75,-4.5 75,44 75,46
Outline:
  lines w0.254: 150,46 150,46.5 152,48.5 154,48.5 154,49 154,76 154,77 154,78 152,78 151,79 150,80 150,81 150,85 ccw(c145,85) 145,90 5,90 ccw(c5,85) 0,85 0,5 ccw(c5,5) 5,0 145,0 ccw(c145,5) 150,5 150,45 150,46 ; 150,46 150,46 ; 124.75,18.075 ccw(c126.75,18.075) 126.75,16.075 134.75,16.075 ccw(c134.75,18.075) 136.75,18.075 136.75,24.075 ccw(c134.75,24.075) 134.75,26.075 126.75,26.075 ccw(c126.75,24.075) 124.75,24.075 124.75,18.075 ; 154,48 154,48

## Dimensions
95,5 to 145,5 on Top Dimensions
5,5 to 95,5 on Top Dimensions
150,85 to 154,78 on Top Dimensions
5,0 to 5,90 on Top Dimensions
5,85 to 5,5 on Top Dimensions
0,85 to 150,85 on Top Dimensions
145,85 to 5,85 on Top Dimensions
153,62 to 148,51 on Top Dimensions
151,73 to 153,62 on Top Dimensions
145,85 to 151,73 on Top Dimensions

## Text inside footprints (layer, text, board x,y; h text height)
C19: Top Overlay "+" at 24.798,12.5 h1 r180
P3: Top Overlay "5" at 109.3,39.62 h1 r90; Top Overlay "1" at 109.3,29.72 h1 r90
P5: Top Overlay "6" at 81.38,22 h1.02 r180; Top Overlay "1" at 93.82,22 h1.02 r180
U5: Top 3D Body "*" at 70.06,48.365 h1.27